# KiCad board poly_kb_molecule_7x5_wave_left.kicad_pcb (continued)
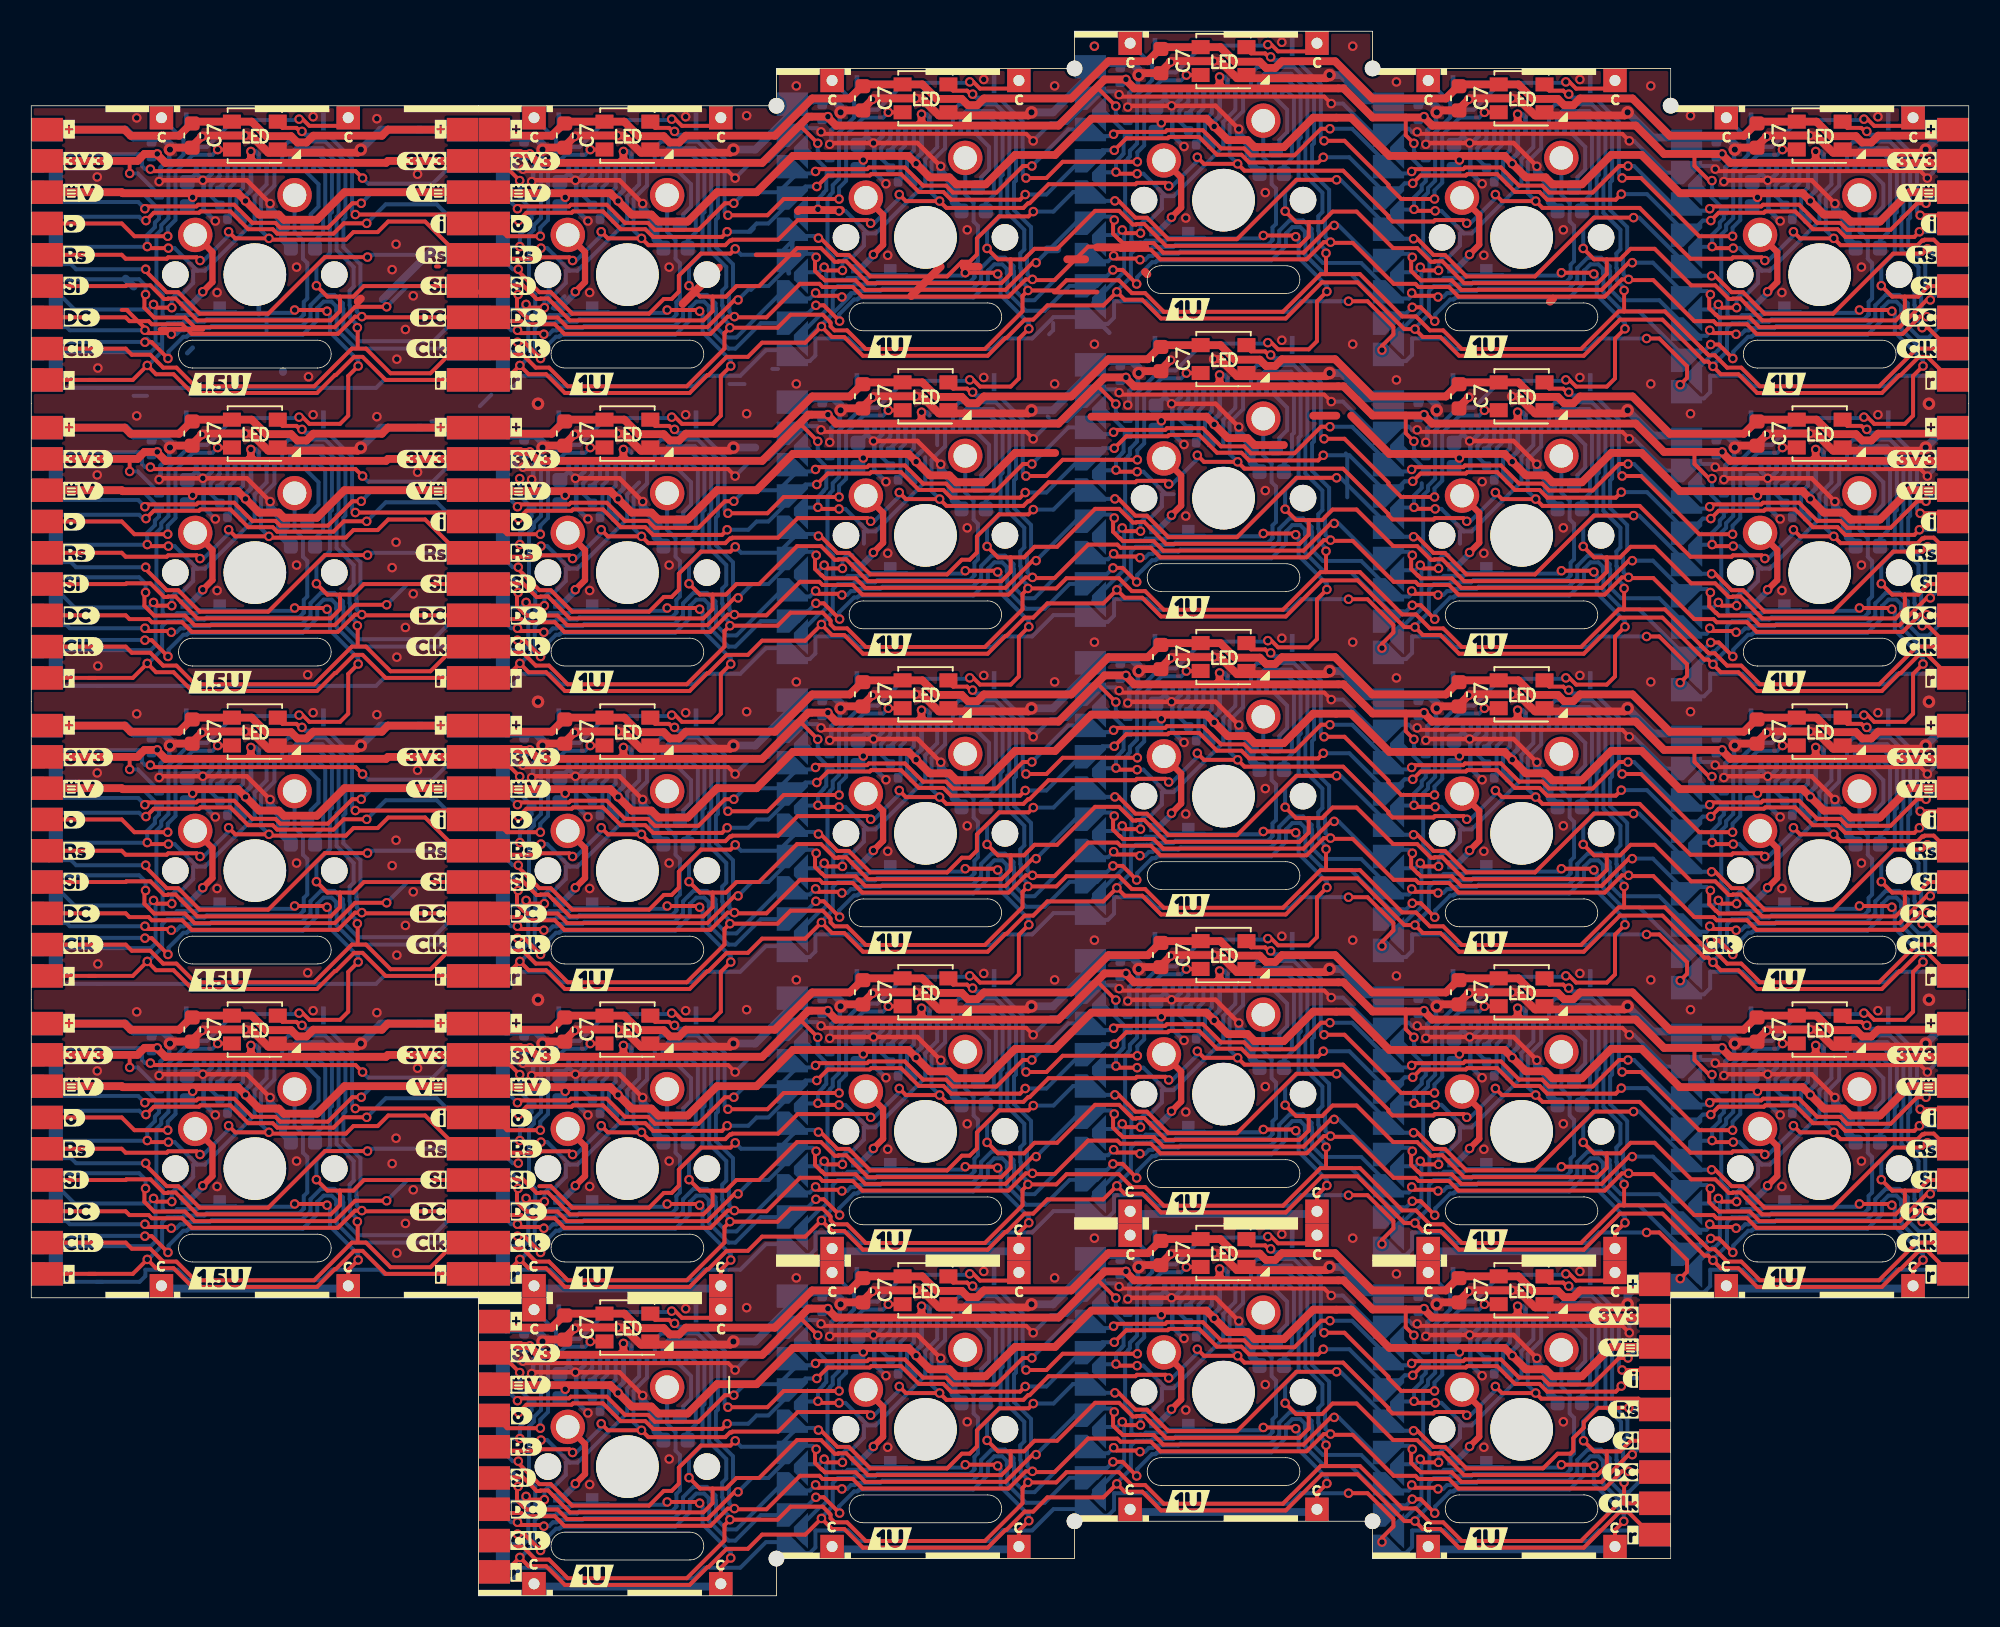
[diagram p0: board, top side]
## Routing (per net, layer and track width the routed paths; a pad name or vN(x,y) marks a point on that pad's centre or on a via; arc(x,y) is an arc through that point) (continued)
/Keyboard/sheet605ED2EB/CS: length 924.1
  Top w0.254: v1(7.81,44.45) 8.02,44.24 v1(8.98,44.24) ; v1(8.98,25.19) 8.02,25.19 v1(7.81,25.4) ; v1(31.23,10.05) 31.32,9.95 v1(32.57,9.95) ; v1(31.23,67.2) 31.32,67.1 v1(32.57,67.1) ; v1(50.67,65.88) 50.88,65.67 v1(51.84,65.67) ; v1(51.84,46.62) 50.88,46.62 v1(50.67,46.83) ; v1(88.38,12.43) 88.47,12.33 v1(89.72,12.33) ; v1(8.76,67.1) 7.51,67.1 v1(7.41,67.2) ; v1(32.79,6.14) 31.83,6.14 v1(31.62,6.35) ; v1(51.84,27.57) 50.88,27.57 v1(50.67,27.78) ; v1(69.33,33.86) 69.43,33.76 v1(70.68,33.76) ; v1(51.63,50.43) 50.38,50.43 v1(50.28,50.53) ; v1(70.89,49.01) 69.93,49.01 v1(69.72,49.21) ; v1(108.77,86.15) 107.52,86.15 v1(107.42,86.25) ; v1(89.94,46.62) 88.98,46.62 v1(88.77,46.83) ; v1(70.68,71.86) 69.43,71.86 v1(69.33,71.96) ; v1(51.63,31.38) 50.38,31.38 v1(50.28,31.48) ; v1(50.67,84.93) 50.88,84.72 v1(51.84,84.72) ; v1(70.89,68.06) 69.93,68.06 v1(69.72,68.26) ; v1(88.38,50.53) 88.47,50.43 v1(89.72,50.43) ; v1(8.76,48.05) 7.51,48.05 v1(7.41,48.15) ; v1(7.41,86.25) 7.51,86.15 v1(8.76,86.15) ; v1(51.63,69.48) 50.38,69.48 v1(50.28,69.58) ; v1(69.33,91.01) 69.43,90.91 v1(70.68,90.91) ; v1(107.82,25.4) 108.03,25.19 v1(108.99,25.19) ; v1(70.89,10.91) 69.93,10.91 v1(69.72,11.11) ; v1(108.77,48.05) 107.52,48.05 v1(107.42,48.15) ; v1(8.76,29) 7.51,29 v1(7.41,29.1) ; v1(51.63,88.53) 50.38,88.53 v1(50.28,88.63) ; v1(88.77,84.93) 88.98,84.72 v1(89.94,84.72) ; v1(32.79,63.29) 31.83,63.29 v1(31.62,63.5) ; v1(107.82,82.55) 108.03,82.34 v1(108.99,82.34) ; v1(51.84,8.52) 50.88,8.52 v1(50.67,8.73) ; v1(107.82,63.5) 108.03,63.29 v1(108.99,63.29) ; v1(70.68,52.81) 69.43,52.81 v1(69.33,52.91) ; v1(70.68,14.71) 69.43,14.71 v1(69.33,14.81) ; v1(31.62,25.4) 31.83,25.19 v1(32.79,25.19) ; v1(32.79,44.24) 31.83,44.24 v1(31.62,44.45) ; v1(32.57,86.15) 31.32,86.15 v1(31.23,86.25) ; v1(89.72,69.48) 88.47,69.48 v1(88.38,69.58) ; v1(89.72,88.53) 88.47,88.53 v1(88.38,88.63) ; v1(70.89,29.96) 69.93,29.96 v1(69.72,30.16) ; v1(107.42,67.2) 107.52,67.1 v1(108.77,67.1) ; v1(89.94,65.67) 88.98,65.67 v1(88.77,65.88) ; v1(7.81,63.5) 8.02,63.29 v1(8.98,63.29) ; v1(31.62,82.55) 31.83,82.34 v1(32.79,82.34) ; v1(88.77,27.78) 88.98,27.57 v1(89.94,27.57) ; v1(7.81,82.55) 8.02,82.34 v1(8.98,82.34) ; v1(89.72,31.38) 88.47,31.38 v1(88.38,31.48) ; v1(31.23,48.15) 31.32,48.05 v1(32.57,48.05) ; v1(51.63,12.33) 50.38,12.33 v1(50.28,12.43) ; v1(69.72,87.31) 69.93,87.11 v1(70.89,87.11) ; v1(107.82,44.45) 108.03,44.24 v1(108.99,44.24) ; v1(108.77,29) 107.52,29 v1(107.42,29.1) ; v1(89.94,8.52) 88.98,8.52 v1(88.77,8.73) ; v1(32.57,29) 31.32,29 v1(31.23,29.1)
  Bottom w0.25: J5#2.10 1.77,33.17 2.41,32.53 7.11,32.53 8.16,31.47 R1#22.2 ; 49.39,92.63 51.03,91 R1#25.2 ; 87.49,54.53 89.12,52.9 R1#26.2 ; 51.03,71.95 49.39,73.58 ; R1#13.2 70.08,17.18 68.44,18.82 ; J5#15.10 1.77,90.32 2.41,89.68 7.11,89.68 8.16,88.62 R1#27.2 ; R1#4.2 31.98,31.47 30.34,33.1 J5#22.10 ; 68.44,37.87 70.08,36.23 R1#21.2 ; J5#5.10 1.77,71.27 2.41,70.63 7.11,70.63 8.16,69.57 R1#10.2 ; R1#9.2 51.03,33.85 49.39,35.48 ; J5#17.10 30.34,71.2 31.98,69.57 R1#24.2 ; J5#24.10 1.77,52.22 2.41,51.58 7.11,51.58 8.16,50.52 R1#8.2 ; 106.54,33.1 108.17,31.47 R1#18.2 ; R1#6.2 108.17,69.57 106.54,71.2 ; 106.54,52.15 108.17,50.52 R1.2 ; J5.10 30.34,90.25 31.98,88.62 R1#19.2 ; 49.39,16.43 51.03,14.8 R1#11.2 ; 87.49,73.58 89.12,71.95 R1#7.2 ; J5#12.10 30.34,52.15 31.98,50.52 R1#3.2 ; R1#15.2 108.17,88.62 106.54,90.25 ; 27.21,81.36 27.21,81.48 ; 87.49,16.43 89.12,14.8 R1#5.2 ; 68.44,56.92 70.08,55.28 R1#2.2 ; 68.44,75.97 70.08,74.33 R1#23.2 ; J5#18.10 30.34,14.05 31.98,12.42 R1#17.2 ; R1#28.2 51.03,52.9 49.39,54.53 ; R1#16.2 89.12,91 87.49,92.63 ; R1#14.2 89.12,33.85 87.49,35.48 ; R1#12.2 70.08,93.38 68.44,95.02
  Bottom w0.254: R1#4.2 31.98,30.9 31.71,30.64 31.71,30.34 31.23,29.85 v1(31.23,29.1) 31.21,29.08 30.35,29.08 ; 50.67,27.78 v1(50.67,27.78) 50.35,27.46 49.39,27.46 ; 38.85,15.24 38.85,14.02 38.09,13.26 38.09,11.68 34.91,8.51 34.16,8.51 34.16,7.72 33.43,6.99 33.07,6.99 32.79,6.71 v1(32.79,6.14) ; v1(70.68,90.91) 71.08,90.91 72.52,89.47 ; J5#7.10 88.42,81.79 88.5,81.79 88.85,82.13 88.85,84.84 88.77,84.91 ; 67.87,44.57 J5#13.10 69.85,46.55 69.85,49.07 69.72,49.19 ; v1(89.72,69.48) 90.13,69.48 91.57,68.04 ; 110.62,84.71 109.18,86.15 v1(108.77,86.15) ; 106.54,63.17 107.5,63.17 v1(107.82,63.5) ; v1(51.63,69.48) 52.03,69.48 53.47,68.04 ; 30.35,10.03 31.21,10.03 v1(31.23,10.05) 31.23,10.8 31.71,11.29 31.71,11.59 31.98,11.85 R1#17.2 ; 87.5,60.55 87,61.06 ; v1(108.77,29) 109.18,29 110.62,27.56 ; R1#6.2 108.17,69 107.91,68.74 107.91,68.44 107.42,67.95 v1(107.42,67.2) 107.41,67.18 106.55,67.18 ; 31.62,25.4 v1(31.62,25.4) 31.3,25.08 30.34,25.08 ; 87.5,69.56 88.36,69.56 v1(88.38,69.58) 88.38,70.33 88.86,70.82 88.86,71.12 ; 49.4,12.41 50.26,12.41 v1(50.28,12.43) 50.28,13.09 50.64,13.46 50.64,13.5 50.81,13.67 50.81,14.47 R1#11.2 ; 72.52,32.32 71.08,33.76 v1(70.68,33.76) ; 50.67,8.73 v1(50.67,8.73) 50.35,8.41 49.39,8.41 ; v1(108.99,63.29) 108.99,63.86 109.27,64.14 109.63,64.14 110.36,64.87 110.36,65.66 111.11,65.66 114.29,68.83 114.29,70.41 115.05,71.17 J1#23.10 ; 107.82,25.4 v1(107.82,25.4) 107.5,25.08 106.54,25.08 ; J5#17.10 30.62,60.45 31.45,60.45 31.76,60.76 31.76,63.34 31.62,63.48 ; 68.45,5.78 67.94,6.29 ; R1#3.2 31.98,49.95 31.71,49.69 31.71,49.39 31.23,48.9 v1(31.23,48.15) 31.21,48.13 30.35,48.13 ; v1(51.63,88.53) 52.03,88.53 53.47,87.09 ; 69.72,87.29 69.85,87.17 69.85,84.65 J5#4.10 67.87,82.67 ; 68.45,71.95 69.31,71.95 v1(69.33,71.96) 69.33,72.63 69.7,73.01 69.7,73.03 69.81,73.14 69.81,73.95 ; R1#14.2 89.12,33.28 88.86,33.02 88.86,32.72 88.38,32.23 v1(88.38,31.48) 88.36,31.46 87.5,31.46 ; R1#18.2 108.17,30.9 107.91,30.64 107.91,30.34 107.42,29.85 v1(107.42,29.1) 107.41,29.08 106.55,29.08 ; 7.81,44.43 7.95,44.29 7.95,41.71 7.64,41.4 2.04,41.4 J5#24.10 ; R1#19.2 31.98,88.05 31.71,87.79 31.71,87.49 31.23,87 v1(31.23,86.25) 31.21,86.23 30.35,86.23 ; 67.87,6.47 J5#8.10 69.85,8.45 69.85,10.97 69.72,11.09 ; 50.67,8.71 50.81,8.58 50.81,5.99 50.5,5.68 50.42,5.68 J5#23.10 ; v1(51.84,46.62) 51.84,47.19 52.12,47.47 52.48,47.47 53.21,48.2 53.21,48.99 53.96,48.99 57.14,52.16 57.14,53.74 57.9,54.51 J1#6.10 ; J5#20.10 88.42,24.64 88.5,24.64 88.85,24.98 88.85,27.69 88.77,27.76 ; 34.42,84.71 32.98,86.15 v1(32.57,86.15) ; 44.63,77.46 45.59,77.46 ; 68.45,43.88 67.94,44.39 ; 64.96,75.39 65.03,75.31 ; 87.49,8.41 88.45,8.41 v1(88.77,8.73) 88.77,8.73 ; 76.19,73.6 76.19,75.17 76.95,75.94 J1#4.10 ; 87.5,50.51 88.36,50.51 v1(88.38,50.53) 88.38,51.28 88.86,51.77 88.86,52.07 89.12,52.33 R1#26.2 ; J5#6.10 107.47,79.41 107.58,79.41 107.92,79.75 107.92,82.43 107.82,82.53 ; J5#24.10 1.77,48.13 7.4,48.13 v1(7.41,48.15) 7.41,48.9 7.9,49.39 7.9,49.69 8.16,49.95 R1#8.2 ; v1(89.72,31.38) 90.13,31.38 91.57,29.94 ; v1(70.68,14.71) 71.08,14.71 72.52,13.27 ; R1#9.2 50.81,33.52 50.81,32.72 50.64,32.55 50.64,32.51 50.28,32.14 v1(50.28,31.48) 50.26,31.46 49.4,31.46 ; v1(32.57,9.95) 32.98,9.95 34.42,8.51 ; v1(8.76,86.15) 9.16,86.15 10.6,84.71 ; 15.04,81.92 15.04,80.7 ; J1#5.10 76.95,94.99 76.19,94.22 76.19,92.65 73.01,89.47 72.26,89.47 72.26,88.68 71.53,87.95 71.17,87.95 70.89,87.67 v1(70.89,87.11) ; J1#10.10 76.95,56.89 76.19,56.12 76.19,54.55 73.01,51.37 72.26,51.37 72.26,50.58 71.53,49.85 71.17,49.85 70.89,49.57 v1(70.89,49.01) ; J1#16.10 15.04,33.07 14.27,32.31 14.27,30.73 11.1,27.56 10.35,27.56 10.35,26.77 9.62,26.04 9.26,26.04 8.98,25.76 v1(8.98,25.19) ; v1(89.94,8.52) 89.94,9.09 90.22,9.37 90.58,9.37 91.31,10.1 91.31,10.89 92.06,10.89 95.24,14.06 95.24,15.64 96,16.41 J1#2.10 ; 7.81,82.53 7.95,82.39 7.95,79.81 7.64,79.5 2.04,79.5 J5#15.10 ; 69.72,30.16 v1(69.72,30.16) 69.4,29.84 68.44,29.84 ; 50.67,46.83 v1(50.67,46.83) 50.35,46.51 49.39,46.51 ; J5#5.10 2.77,63.18 7.49,63.18 v1(7.81,63.5) 7.81,63.5 ; 30.34,82.22 31.3,82.22 v1(31.62,82.55) 31.62,82.55 ; 7.81,25.4 v1(7.81,25.4) 7.49,25.08 2.77,25.08 J5#2.10 ; 31.62,44.43 31.76,44.29 31.76,41.71 31.45,41.4 30.62,41.4 J5#12.10 ; R1#15.2 108.17,88.05 107.91,87.79 107.91,87.49 107.42,87 v1(107.42,86.25) 107.41,86.23 106.55,86.23 ; J5#16.10 107.47,22.26 107.58,22.26 107.92,22.6 107.92,25.28 107.82,25.38 ; 69.72,68.24 69.85,68.12 69.85,65.6 J5#28.10 67.87,63.62 ; 69.4,67.94 v1(69.72,68.26) 69.72,68.26 ; 107.82,44.43 107.92,44.33 107.92,41.65 107.58,41.31 107.47,41.31 J5#21.10 ; 87.5,41.5 87,42.01 ; J5#25.10 50.42,43.78 50.5,43.78 50.81,44.09 50.81,46.68 50.67,46.81 ; v1(51.84,84.72) 51.84,85.29 52.12,85.57 52.48,85.57 53.21,86.3 53.21,87.09 53.96,87.09 57.14,90.26 57.14,91.84 57.9,92.61 J1#17.10 ; 50.67,84.93 v1(50.67,84.93) 50.35,84.61 49.39,84.61 ; 106.55,39.12 106.05,39.62 ; v1(32.79,44.24) 32.79,44.81 33.07,45.09 33.43,45.09 34.16,45.82 34.16,46.61 34.91,46.61 38.09,49.78 38.09,51.36 38.85,52.12 38.85,53.34 ; 68.44,48.89 69.4,48.89 v1(69.72,49.21) 69.72,49.21 ; 72.52,70.42 71.08,71.86 v1(70.68,71.86) ; v1(8.98,63.29) 8.98,63.86 9.26,64.14 9.62,64.14 10.35,64.87 10.35,65.66 11.1,65.66 14.27,68.83 14.27,70.41 15.04,71.17 J1#24.10 ; J1#27.10 57.9,73.56 ; 67.87,25.52 J5#11.10 69.85,27.5 69.85,30.02 69.72,30.14 ; 31.62,82.53 31.76,82.39 31.76,79.81 31.45,79.5 30.62,79.5 J5.10 ; 84.01,73.03 84.01,73.03 ; v1(89.94,84.72) 89.94,85.29 90.22,85.57 90.58,85.57 91.31,86.3 91.31,87.09 92.06,87.09 95.24,90.26 95.24,91.84 96,92.61 J1#22.10 ; J5#18.10 30.62,3.3 31.45,3.3 31.76,3.61 31.76,6.19 31.62,6.33 ; R1#13.2 69.81,16.8 69.81,15.99 69.7,15.88 69.7,15.86 69.33,15.48 v1(69.33,14.81) 69.31,14.8 68.45,14.8 ; R1#28.2 50.81,52.57 50.81,51.77 50.64,51.6 50.64,51.56 50.28,51.19 v1(50.28,50.53) 50.26,50.51 49.4,50.51 ; 49.4,88.61 50.26,88.61 v1(50.28,88.63) 50.28,89.29 50.64,89.66 50.64,89.7 50.81,89.87 50.81,90.67 R1#25.2 ; v1(32.79,25.19) 32.79,25.76 33.07,26.04 33.43,26.04 34.16,26.77 34.16,27.56 34.91,27.56 38.09,30.73 38.09,32.31 38.85,33.07 38.85,34.29 ; 50.67,27.76 50.81,27.63 50.81,25.04 50.5,24.73 50.42,24.73 J5#9.10 ; 46.26,83.74 46,83.47 ; 31.62,44.45 v1(31.62,44.45) 31.3,44.12 30.34,44.12 ; v1(108.99,82.34) 108.99,82.91 109.27,83.19 109.63,83.19 110.36,83.92 110.36,84.71 111.11,84.71 114.29,87.88 114.29,89.46 115.05,90.22 J1#7.10 ; 91.57,48.99 90.13,50.43 v1(89.72,50.43) ; v1(51.63,31.38) 52.03,31.38 53.47,29.94 ; 68.45,24.83 67.94,25.34 ; 68.45,81.98 67.94,82.49 ; 87.5,3.4 87,3.91 ; 31.21,67.18 v1(31.23,67.2) 31.23,67.95 31.71,68.44 31.71,68.74 31.98,69 R1#24.2 ; 68.45,62.93 67.94,63.44 ; v1(8.98,82.34) 8.98,82.91 9.26,83.19 9.62,83.19 10.35,83.92 10.35,84.71 11.1,84.71 14.27,87.88 14.27,89.46 15.04,90.22 J1#28.10 ; 50.67,65.86 50.81,65.73 50.81,63.14 50.5,62.83 ; v1(32.79,63.29) 32.79,63.86 33.07,64.14 33.43,64.14 34.16,64.87 34.16,65.66 34.91,65.66 38.09,68.83 38.09,70.41 38.85,71.17 ; 87.49,27.46 88.45,27.46 v1(88.77,27.78) 88.77,27.78 ; 50.67,84.91 50.81,84.78 50.81,82.19 50.5,81.88 50.42,81.88 J5#3.10 ; 106.55,77.22 106.05,77.72 ; 107.82,63.48 107.92,63.38 ; 87.5,79.6 87,80.11 ; J1#25.10 76.95,18.79 76.19,18.02 76.19,16.45 73.01,13.27 72.26,13.27 72.26,12.48 71.53,11.75 71.17,11.75 70.89,11.47 v1(70.89,10.91) ; 47.72,78.43 47.36,78.43 ; J1#9.10 96,54.51 95.24,53.74 95.24,52.16 92.06,48.99 91.31,48.99 91.31,48.2 90.58,47.47 90.22,47.47 89.94,47.19 v1(89.94,46.62) ; 88.85,65.79 88.85,63.08 88.5,62.74 88.42,62.74 J5#14.10 ; J1#15.10 15.04,52.12 14.27,51.36 14.27,49.78 11.1,46.61 10.35,46.61 10.35,45.82 9.62,45.09 9.26,45.09 8.98,44.81 v1(8.98,44.24) ; 110.62,65.66 109.18,67.1 ; 87.49,84.61 88.45,84.61 v1(88.77,84.93) 88.77,84.93 ; 52.37,83.12 49.2,79.95 ; v1(89.72,88.53) 90.13,88.53 91.57,87.09 ; 49.4,22.45 48.89,22.96 ; 31.62,6.35 v1(31.62,6.35) 31.3,6.02 30.34,6.02 ; 52.48,66.52 52.12,66.52 51.84,66.24 v1(51.84,65.67) ; 68.45,33.85 69.31,33.85 v1(69.33,33.86) 69.33,34.53 69.7,34.91 69.7,34.93 69.81,35.04 69.81,35.85 R1#21.2 ; J5#22.10 30.62,22.35 31.45,22.35 31.76,22.66 31.76,25.24 31.62,25.38 ; 10.6,27.56 9.16,29 v1(8.76,29) ; 73.01,70.42 72.26,70.42 72.26,69.63 71.53,68.9 ; 57.14,72.79 57.14,71.21 53.96,68.04 53.21,68.04 53.21,67.25 ; 6.54,76.71 7.4,76.71 ; v1(70.68,52.81) 71.08,52.81 72.52,51.37 ; 68.44,86.99 69.4,86.99 v1(69.72,87.31) 69.72,87.31 ; 49.4,41.5 48.89,42.01 ; 10.6,46.61 9.16,48.05 v1(8.76,48.05) ; R1#20.2 50.81,71.62 50.81,70.82 50.64,70.65 50.64,70.61 50.28,70.24 v1(50.28,69.58) 50.26,69.56 49.4,69.56 ; J5#2.10 2.04,22.35 7.64,22.35 7.95,22.66 7.95,25.24 7.81,25.38 ; v1(8.76,67.1) 9.16,67.1 10.6,65.66 ; 106.54,44.12 107.5,44.12 v1(107.82,44.45) 107.82,44.45 ; R1#10.2 8.16,69 7.9,68.74 7.9,68.44 7.41,67.95 v1(7.41,67.2) 7.4,67.18 1.77,67.18 J5#5.10 ; 7.81,82.55 v1(7.81,82.55) 7.49,82.23 2.77,82.23 J5#15.10 ; 53.47,10.89 52.03,12.33 v1(51.63,12.33) ; v1(51.84,27.57) 51.84,28.14 52.12,28.42 52.48,28.42 53.21,29.15 53.21,29.94 53.96,29.94 57.14,33.11 57.14,34.69 57.9,35.46 J1#13.10 ; J1#19.10 115.05,52.12 114.29,51.36 114.29,49.78 111.11,46.61 110.36,46.61 110.36,45.82 109.63,45.09 109.27,45.09 108.99,44.81 v1(108.99,44.24) ; J5#19.10 88.42,43.69 88.5,43.69 88.85,44.03 88.85,46.74 88.77,46.81 ; 106.55,48.13 107.41,48.13 v1(107.42,48.15) 107.42,48.9 107.91,49.39 107.91,49.69 108.17,49.95 R1.2 ; R1#16.2 89.12,90.43 88.86,90.17 88.86,89.87 88.38,89.38 v1(88.38,88.63) 88.36,88.61 87.5,88.61 ; 68.45,52.9 69.31,52.9 v1(69.33,52.91) 69.33,53.58 69.7,53.96 69.7,53.98 69.81,54.09 69.81,54.9 R1#2.2 ; J5#27.10 107.47,60.36 107.58,60.36 107.92,60.7 ; 30.34,63.17 31.3,63.17 v1(31.62,63.5) 31.62,63.5 ; J5#24.10 2.77,44.13 7.49,44.13 v1(7.81,44.45) 7.81,44.45 ; v1(32.57,48.05) 32.98,48.05 34.42,46.61 ; J1#26.10 115.05,33.07 114.29,32.31 114.29,30.73 111.11,27.56 110.36,27.56 110.36,26.77 109.63,26.04 109.27,26.04 108.99,25.76 v1(108.99,25.19) ; 91.57,10.89 90.13,12.33 v1(89.72,12.33) ; 68.45,91 69.31,91 v1(69.33,91.01) 69.33,91.68 69.7,92.06 69.7,92.08 69.81,92.19 69.81,93 R1#12.2 ; 87.5,12.41 88.36,12.41 v1(88.38,12.43) 88.38,13.18 88.86,13.67 88.86,13.97 89.12,14.23 R1#5.2 ; 71.17,68.9 70.89,68.62 v1(70.89,68.06) ; 53.47,48.99 52.03,50.43 v1(51.63,50.43) ; 50.67,65.88 v1(50.67,65.88) 50.35,65.56 ; v1(70.89,29.96) 70.89,30.52 71.17,30.8 71.53,30.8 72.26,31.53 72.26,32.32 73.01,32.32 76.19,35.5 76.19,37.07 76.95,37.84 J1#21.10 ; 106.55,58.17 106.05,58.67 ; 107.82,82.55 v1(107.82,82.55) 107.5,82.22 106.54,82.22 ; J5#26.10 88.42,5.59 88.5,5.59 88.85,5.93 88.85,8.64 88.77,8.71 ; 87.5,22.45 87,22.96 ; J5#2.10 1.77,29.08 7.4,29.08 v1(7.41,29.1) 7.41,29.85 7.9,30.34 7.9,30.64 8.16,30.9 R1#22.2 ; 49.4,60.55 48.89,61.06 ; R1#27.2 8.16,88.05 7.9,87.79 7.9,87.49 7.41,87 v1(7.41,86.25) 7.4,86.23 1.77,86.23 J5#15.10 ; 7.81,63.48 7.95,63.34 7.95,60.76 7.64,60.45 2.04,60.45 J5#5.10 ; v1(51.84,8.52) 51.84,9.09 52.12,9.37 52.48,9.37 53.21,10.1 53.21,10.89 53.96,10.89 57.14,14.06 57.14,15.64 57.9,16.41 J1#12.10 ; v1(108.77,48.05) 109.18,48.05 110.62,46.61 ; 29.4,76.78 28.67,76.05 ; 84.11,72.91 84.11,70.22 ; 49.4,3.4 48.89,3.91 ; 67.5,76.78 66.77,76.05 ; 68.44,10.79 69.4,10.79 v1(69.72,11.11) 69.72,11.11 ; 34.42,27.56 32.98,29 v1(32.57,29) ; 87.49,65.56 88.45,65.56 v1(88.77,65.88) 88.77,65.88 ; 49.4,79.6 48.89,80.11 ; 38.85,91.44 38.85,90.22 38.09,89.46 38.09,87.88 34.91,84.71 34.16,84.71 34.16,83.92 33.43,83.19 33.07,83.19 32.79,82.91 v1(32.79,82.34) ; v1(32.57,67.1) 32.98,67.1 34.42,65.66 ; 88.77,46.83 v1(88.77,46.83) 88.45,46.51 87.49,46.51 ; J1#3.10 96,73.56 95.24,72.79 95.24,71.21 92.06,68.04 91.31,68.04 91.31,67.25 ; 50.42,62.83 J5#10.10 ; v1(89.94,65.67) 89.94,66.24 90.22,66.52 90.58,66.52 ; J1#18.10 96,35.46 95.24,34.69 95.24,33.11 92.06,29.94 91.31,29.94 91.31,29.15 90.58,28.42 90.22,28.42 89.94,28.14 v1(89.94,27.57) ; 106.55,20.07 106.05,20.58
/Keyboard/sheet605ED2EB/D-C: length 1055.6
  Top w0.25: v1(102.09,7.95) 103.71,7.95 J4#5.7
  Top w0.254: 29.84,62.67 30.09,62.43 31.32,62.43 31.52,62.23 33.46,62.23 34.07,61.62 43.41,61.62 44.51,62.72 v1(44.94,62.72) 44.98,62.67 46.99,62.67 49.13,64.82 50.37,64.82 50.57,64.61 52.51,64.61 53.12,64 62.46,64 63.56,65.1 v1(63.99,65.1) 64.03,65.06 65.41,65.06 67.54,67.2 69.42,67.2 69.62,66.99 71.56,66.99 72.17,66.38 81.51,66.38 82.61,67.48 v1(83.04,67.48) 83.08,67.44 84.45,67.44 87.08,64.81 88.47,64.81 88.67,64.61 90.61,64.61 91.22,64 100.56,64 101.66,65.1 v1(102.09,65.1) 102.13,65.06 103.66,65.06 106.29,62.43 107.52,62.43 107.72,62.23 109.66,62.23 110.27,61.62 119.61,61.62 120.71,62.72 v1(121.14,62.72) 121.18,62.67 122.55,62.67 ; J3#3.7 6.03,24.58 6.27,24.33 7.5,24.33 7.71,24.13 9.64,24.13 10.26,23.52 19.59,23.52 20.69,24.62 v1(21.13,24.62) 21.17,24.58 J4#8.7 ; J3#5.7 6.03,81.73 6.27,81.48 7.5,81.48 7.71,81.28 9.64,81.28 10.26,80.67 19.59,80.67 20.69,81.77 v1(21.13,81.77) 21.17,81.73 J4#9.7 ; J4#7.7 21.17,43.63 v1(21.13,43.67) 20.69,43.67 19.59,42.57 10.26,42.57 9.64,43.18 7.71,43.18 7.5,43.38 6.27,43.38 6.03,43.63 J3#8.7 ; 29.84,43.62 30.09,43.38 31.32,43.38 31.52,43.18 33.46,43.18 34.07,42.57 43.41,42.57 44.51,43.67 v1(44.94,43.67) 44.98,43.62 46.99,43.62 49.13,45.77 50.37,45.77 50.57,45.56 52.51,45.56 53.12,44.95 62.46,44.95 63.56,46.05 v1(63.99,46.05) 64.03,46.01 65.41,46.01 67.54,48.15 69.42,48.15 69.62,47.94 71.56,47.94 72.17,47.33 81.51,47.33 82.61,48.43 v1(83.04,48.43) 83.08,48.39 84.45,48.39 87.08,45.76 88.47,45.76 88.67,45.56 90.61,45.56 91.22,44.95 100.56,44.95 101.66,46.05 v1(102.09,46.05) 102.13,46.01 103.66,46.01 106.29,43.38 107.52,43.38 107.72,43.18 109.66,43.18 110.27,42.57 119.61,42.57 120.71,43.67 v1(121.14,43.67) 121.18,43.62 122.55,43.62 ; 29.84,5.52 30.09,5.28 31.32,5.28 31.52,5.08 33.46,5.08 34.07,4.47 43.41,4.47 44.51,5.57 v1(44.94,5.57) 44.98,5.52 46.99,5.52 49.13,7.67 50.37,7.67 50.57,7.46 52.51,7.46 53.12,6.85 62.46,6.85 63.56,7.95 v1(63.99,7.95) 64.03,7.91 65.41,7.91 67.54,10.05 69.42,10.05 69.62,9.84 71.56,9.84 72.17,9.23 81.51,9.23 82.61,10.33 v1(83.04,10.33) 83.08,10.29 84.45,10.29 87.08,7.66 88.47,7.66 88.67,7.46 90.61,7.46 91.22,6.85 100.56,6.85 101.66,7.95 v1(102.09,7.95) 102.13,7.91 ; 29.84,24.58 30.09,24.33 31.32,24.33 31.52,24.13 33.46,24.13 34.07,23.52 43.41,23.52 44.51,24.62 v1(44.94,24.62) 44.98,24.58 46.99,24.58 49.13,26.72 50.37,26.72 50.57,26.51 52.51,26.51 53.12,25.9 62.46,25.9 63.56,27 v1(63.99,27) 64.03,26.96 65.41,26.96 67.54,29.1 69.42,29.1 69.62,28.89 71.56,28.89 72.17,28.28 81.51,28.28 82.61,29.38 v1(83.04,29.38) 83.08,29.34 84.45,29.34 87.08,26.71 88.47,26.71 88.67,26.51 90.61,26.51 91.22,25.9 100.56,25.9 101.66,27 v1(102.09,27) 102.13,26.96 103.66,26.96 106.29,24.33 107.52,24.33 107.72,24.13 109.66,24.13 110.27,23.52 119.61,23.52 120.71,24.62 v1(121.14,24.62) 121.18,24.58 122.55,24.58 ; J3#9.7 6.03,62.68 6.27,62.43 7.5,62.43 7.71,62.23 9.64,62.23 10.26,61.62 19.59,61.62 20.69,62.72 v1(21.13,62.72) 21.17,62.68 J4#4.7 ; 122.55,81.72 121.18,81.72 v1(121.14,81.77) 120.71,81.77 119.61,80.67 110.27,80.67 109.66,81.28 107.72,81.28 107.52,81.48 106.29,81.48 103.66,84.11 102.13,84.11 v1(102.09,84.15) 101.66,84.15 100.56,83.05 91.22,83.05 90.61,83.66 88.67,83.66 88.47,83.86 87.08,83.86 84.45,86.49 83.08,86.49 v1(83.04,86.53) 82.61,86.53 81.51,85.43 72.17,85.43 71.56,86.04 69.62,86.04 69.42,86.25 67.54,86.25 65.41,84.11 64.03,84.11 v1(63.99,84.15) 63.56,84.15 62.46,83.05 53.12,83.05 52.51,83.66 50.57,83.66 50.37,83.87 49.13,83.87 46.99,81.72 44.98,81.72 v1(44.94,81.77) 44.51,81.77 43.41,80.67 34.07,80.67 33.46,81.28 31.52,81.28 31.32,81.48 30.09,81.48 29.84,81.72
  Bottom w0.254: 39.85,34.29 39.85,35.41 40.26,35.81 42.59,35.81 43.76,34.65 43.89,34.52 43.89,30.94 43.76,30.81 43.76,29.05 44.85,27.97 44.85,26.36 44.59,26.1 44.59,25.52 44.62,25.49 44.62,24.94 v1(44.94,24.62) ; v1(44.94,81.77) 44.62,82.09 44.62,82.64 44.59,82.67 44.59,83.25 44.85,83.51 44.85,85.12 43.76,86.2 43.76,87.96 43.89,88.09 43.89,91.67 43.76,91.8 42.59,92.96 40.26,92.96 39.85,92.55 39.85,91.44 ; J1#2.12 97,18.74 97.41,19.15 99.74,19.15 101.04,17.85 101.04,12.25 102.01,11.28 102.01,10.18 101.74,9.9 101.74,8.86 101.77,8.82 101.77,8.27 v1(102.09,7.95) ; v1(102.09,46.05) 101.77,46.37 101.77,46.92 101.74,46.96 101.74,47.53 102,47.79 102,49.4 100.91,50.49 100.91,52.25 101.04,52.37 101.04,55.95 100.91,56.08 100.91,56.08 99.74,57.25 97.41,57.25 97,56.84 J1#9.12 ; 39.85,72.39 39.85,73.5 40.26,73.91 42.59,73.91 43.76,72.75 43.89,72.62 43.89,69.04 43.76,68.91 43.76,67.15 44.85,66.07 44.85,64.46 44.59,64.2 44.59,63.62 44.62,63.59 44.62,63.04 v1(44.94,62.72) ; v1(21.13,62.72) 20.81,63.04 20.81,63.59 20.77,63.62 20.77,64.2 21.03,64.46 21.03,66.07 19.94,67.15 19.94,68.91 20.07,69.04 20.07,72.62 19.94,72.75 18.78,73.91 16.45,73.91 16.04,73.51 J1#24.12 ; v1(121.14,24.62) 120.82,24.94 120.82,25.49 120.79,25.52 120.79,26.1 121.05,26.36 121.05,27.97 119.96,29.05 119.96,30.81 120.09,30.94 120.09,34.52 119.96,34.65 118.79,35.81 116.46,35.81 116.05,35.41 J1#26.12 ; J1#23.12 116.05,73.5 116.46,73.91 118.79,73.91 119.96,72.75 120.09,72.62 120.09,69.04 119.96,68.91 119.96,67.15 121.05,66.07 121.05,64.46 120.79,64.2 120.79,63.62 120.82,63.59 120.82,63.04 v1(121.14,62.72) ; J1#7.12 116.05,92.55 116.46,92.96 118.79,92.96 119.96,91.8 120.09,91.67 120.09,88.09 119.96,87.96 119.96,86.2 121.05,85.12 121.05,83.51 120.79,83.25 120.79,82.67 120.82,82.64 120.82,82.09 v1(121.14,81.77) ; J1#12.12 58.9,18.74 59.31,19.15 61.64,19.15 62.81,17.98 62.81,17.98 62.94,17.85 62.94,14.27 62.81,14.15 62.81,12.39 63.9,11.3 63.9,9.69 63.64,9.43 63.64,8.86 63.67,8.82 63.67,8.27 v1(63.99,7.95) ; v1(63.99,27) 63.67,27.32 63.67,27.87 63.64,27.91 63.64,28.48 63.9,28.74 63.9,30.35 62.81,31.44 62.81,33.2 62.94,33.32 62.94,36.9 62.81,37.03 62.81,37.03 61.64,38.2 59.31,38.2 58.9,37.79 J1#13.12 ; J1#16.12 16.04,35.41 16.45,35.81 18.78,35.81 19.94,34.65 20.07,34.52 20.07,30.94 19.94,30.81 19.94,29.05 21.03,27.97 21.03,26.36 20.77,26.1 20.77,25.52 20.81,25.49 20.81,24.94 v1(21.13,24.62) ; v1(83.04,48.43) 82.72,48.75 82.72,49.3 82.69,49.34 82.69,49.91 82.95,50.17 82.95,51.78 81.86,52.87 81.86,54.63 81.99,54.75 81.99,58.33 81.86,58.46 81.86,58.46 80.69,59.63 78.36,59.63 77.95,59.22 J1#10.12 ; v1(102.09,65.1) 101.77,65.42 101.77,65.97 101.74,66.01 101.74,66.58 102,66.84 102,68.45 100.91,69.54 100.91,71.3 101.04,71.42 101.04,75 100.91,75.13 100.91,75.13 99.74,76.3 97.41,76.3 97,75.89 J1#3.12 ; J1#5.12 77.95,97.32 78.36,97.73 80.69,97.73 81.86,96.56 81.86,96.56 81.99,96.43 81.99,92.85 81.86,92.73 81.86,90.97 82.95,89.88 82.95,88.27 82.69,88.01 82.69,87.44 82.72,87.4 82.72,86.85 v1(83.04,86.53) ; v1(63.99,46.05) 63.67,46.37 63.67,46.92 63.64,46.96 63.64,47.53 63.9,47.79 63.9,49.4 62.81,50.49 62.81,52.25 62.94,52.37 62.94,55.95 62.81,56.08 62.81,56.08 61.64,57.25 59.31,57.25 58.9,56.84 J1#6.12 ; J1#28.12 16.04,92.56 16.45,92.96 18.78,92.96 19.94,91.8 20.07,91.67 20.07,88.09 19.94,87.96 19.94,86.2 21.03,85.12 21.03,83.51 20.77,83.25 20.77,82.67 20.81,82.64 20.81,82.09 v1(21.13,81.77) ; v1(44.94,5.57) 44.62,5.89 44.62,6.44 44.59,6.47 44.59,7.05 44.85,7.31 44.85,8.92 43.76,10 43.76,11.76 43.89,11.89 43.89,15.47 43.76,15.6 42.59,16.76 40.26,16.76 39.85,16.35 39.85,15.24 ; J1#4.12 77.95,78.27 78.36,78.68 80.69,78.68 81.86,77.51 81.86,77.51 81.99,77.38 81.99,73.8 81.86,73.68 81.86,71.92 82.95,70.83 82.95,69.22 82.69,68.96 82.69,68.39 82.72,68.35 82.72,67.8 v1(83.04,67.48) ; J1#18.12 97,37.79 97.41,38.2 99.74,38.2 100.91,37.03 100.91,37.03 101.04,36.9 101.04,33.32 100.91,33.2 100.91,31.44 102,30.35 102,28.74 101.74,28.48 101.74,27.91 101.77,27.87 101.77,27.32 v1(102.09,27) ; J1#19.12 116.05,54.45 116.46,54.86 118.79,54.86 119.96,53.7 120.09,53.57 120.09,49.99 119.96,49.86 119.96,48.1 121.05,47.02 121.05,45.41 120.79,45.15 120.79,44.57 120.82,44.54 120.82,43.99 v1(121.14,43.67) ; J1#27.12 58.9,75.89 59.31,76.3 61.64,76.3 62.81,75.13 62.81,75.13 62.94,75 62.94,71.42 62.81,71.3 62.81,69.54 63.9,68.45 63.9,66.84 63.64,66.58 63.64,66.01 63.67,65.97 63.67,65.42 v1(63.99,65.1) ; J1#25.12 77.95,21.12 78.36,21.53 80.69,21.53 81.86,20.36 81.86,20.36 81.99,20.23 81.99,16.65 81.86,16.53 81.86,14.77 82.95,13.68 82.95,12.07 82.69,11.81 82.69,11.24 82.72,11.2 82.72,10.65 v1(83.04,10.33) ; 39.85,53.34 39.85,54.45 40.26,54.86 42.59,54.86 43.76,53.7 43.89,53.57 43.89,49.99 43.76,49.86 43.76,48.1 44.85,47.02 44.85,45.41 44.59,45.15 44.59,44.57 44.62,44.54 44.62,43.99 v1(44.94,43.67) ; v1(21.13,43.67) 20.81,43.99 20.81,44.54 20.77,44.57 20.77,45.15 21.03,45.41 21.03,47.02 19.94,48.1 19.94,49.86 20.07,49.99 20.07,53.57 19.94,53.7 18.78,54.86 16.45,54.86 16.04,54.46 J1#15.12 ; v1(102.09,84.15) 101.77,84.47 101.77,85.02 101.74,85.06 101.74,85.63 102,85.89 102,87.5 100.91,88.59 100.91,90.35 101.04,90.47 101.04,94.05 100.91,94.18 100.91,94.18 99.74,95.35 97.41,95.35 97,94.94 J1#22.12 ; v1(83.04,29.38) 82.72,29.7 82.72,30.25 82.69,30.29 82.69,30.86 82.95,31.12 82.95,32.73 81.86,33.82 81.86,35.58 81.99,35.7 81.99,39.28 81.86,39.41 81.86,39.41 80.69,40.58 78.36,40.58 77.95,40.17 J1#21.12 ; v1(63.99,84.15) 63.67,84.47 63.67,85.02 63.64,85.06 63.64,85.63 63.9,85.89 63.9,87.5 62.81,88.59 62.81,90.35 62.94,90.47 62.94,94.05 62.81,94.18 62.81,94.18 61.64,95.35 59.31,95.35 58.9,94.94 J1#17.12
/Keyboard/sheet605ED2EB/KeyCol: length 1296.8
  Top w0.254: v1(42.71,24.97) 42.64,25.04 v1(40.64,25.04) ; v1(20.89,21.46) 20.26,20.83 J9#3.1 ; v1(101.78,4.76) 101.22,4.2 J9#6.1 ; v1(20.89,59.56) 20.26,58.93 20.26,56.39 19.73,55.87 17.77,55.87 17.34,56.29 v1(17.12,56.29) ; v1(61.76,46.4) 61.69,46.48 v1(59.69,46.48) ; v1(63.75,42.89) 63.12,42.26 63.12,39.72 62.6,39.2 60.63,39.2 60.2,39.63 v1(59.98,39.63) ; v1(63.75,61.94) 63.12,61.31 63.12,58.77 62.6,58.25 60.63,58.25 60.2,58.68 v1(59.98,58.68) ; v1(82.8,83.38) 82.17,82.74 82.17,80.2 81.65,79.68 79.68,79.68 79.25,80.11 v1(79.03,80.11) ; v1(82.8,64.33) 82.17,63.69 82.17,61.15 81.65,60.63 79.68,60.63 79.25,61.06 v1(79.03,61.06) ; v1(42.71,44.02) 42.64,44.09 v1(40.64,44.09) ; v1(80.81,67.83) 80.74,67.91 v1(78.74,67.91) ; v1(98.08,20.58) 98.3,20.58 98.73,20.15 100.7,20.15 J2#3.1 ; v1(101.85,61.94) 101.22,61.31 101.22,58.77 100.7,58.25 98.73,58.25 98.3,58.68 v1(98.08,58.68) ; v1(44.7,2.41) 44.07,1.78 J9#10.1 ; v1(59.69,27.43) 61.69,27.43 v1(61.76,27.35) ; v1(101.85,42.89) 101.22,42.26 101.22,39.72 100.7,39.2 98.73,39.2 98.3,39.63 v1(98.08,39.63) ; J2#4.1 100.7,96.35 98.73,96.35 98.3,96.78 v1(98.08,96.78) ; v1(116.84,25.04) 118.84,25.04 v1(118.91,24.97) ; v1(78.74,29.81) 80.74,29.81 v1(80.81,29.73) ; v1(42.71,63.07) 42.64,63.14 v1(40.64,63.14) ; v1(59.98,20.58) 60.2,20.58 60.63,20.15 62.6,20.15 J2#8.1 ; v1(101.85,80.99) 101.22,80.36 101.22,77.82 100.7,77.3 98.73,77.3 98.3,77.73 v1(98.08,77.73) ; J2#10.1 81.65,98.73 79.68,98.73 79.25,99.16 v1(79.03,99.16) ; v1(120.9,59.56) 120.27,58.93 120.27,56.39 119.75,55.87 117.78,55.87 117.35,56.29 v1(117.13,56.29) ; v1(40.93,75.34) 41.15,75.34 41.58,74.92 43.55,74.92 44.07,75.44 44.07,77.98 v1(44.7,78.61) ; v1(78.74,86.96) 80.74,86.96 v1(80.81,86.88) ; v1(17.12,75.34) 17.34,75.34 17.77,74.92 19.73,74.92 20.26,75.44 20.26,77.98 v1(20.89,78.61) ; v1(59.69,65.53) 61.69,65.53 v1(61.76,65.45) ; v1(116.84,63.14) 118.84,63.14 v1(118.91,63.07) ; v1(59.98,77.73) 60.2,77.73 60.63,77.3 62.6,77.3 63.12,77.82 63.12,80.36 v1(63.75,80.99) ; v1(16.83,63.14) 18.82,63.14 v1(18.9,63.07) ; v1(44.7,21.46) 44.07,20.83 J9.1 ; v1(79.03,42.01) 79.25,42.01 79.68,41.58 81.65,41.58 82.17,42.1 82.17,44.64 v1(82.8,45.28) ; v1(117.13,37.24) 117.35,37.24 117.78,36.82 119.75,36.82 120.27,37.34 120.27,39.88 v1(120.9,40.51) ; v1(59.98,96.78) 60.2,96.78 60.63,96.35 62.6,96.35 J2#9.1 ; v1(16.83,44.09) 18.82,44.09 v1(18.9,44.02) ; v1(116.84,82.19) 118.84,82.19 v1(118.91,82.12) ; J2.1 43.55,93.97 41.58,93.97 41.15,94.39 v1(40.93,94.39) ; v1(42.71,5.92) 42.64,5.99 v1(40.64,5.99) ; J2#2.1 119.75,93.97 117.78,93.97 117.35,94.39 v1(117.13,94.39) ; v1(80.81,10.68) 80.74,10.76 v1(78.74,10.76) ; v1(40.93,56.29) 41.15,56.29 41.58,55.87 43.55,55.87 44.07,56.39 44.07,58.93 v1(44.7,59.56) ; v1(99.86,65.45) 99.79,65.53 v1(97.79,65.53) ; v1(99.86,46.4) 99.79,46.48 v1(97.79,46.48) ; v1(78.74,48.86) 80.74,48.86 v1(80.81,48.78) ; v1(40.93,18.19) 41.15,18.19 41.58,17.77 43.55,17.77 J2#5.1 ; J2#6.1 19.73,93.97 17.77,93.97 17.34,94.39 v1(17.12,94.39) ; v1(99.86,27.35) 99.79,27.43 v1(97.79,27.43) ; J9#5.1 63.12,4.16 v1(63.75,4.79) ; J9#7.1 82.17,25.59 v1(82.8,26.23) ; v1(99.86,8.3) 99.79,8.38 v1(97.79,8.38) ; v1(101.85,23.84) 101.22,23.21 J9#2.1 ; v1(59.69,8.38) 61.69,8.38 v1(61.76,8.3) ; v1(18.9,82.12) 18.82,82.19 v1(16.83,82.19) ; v1(63.75,23.84) 63.12,23.21 J9#9.1 ; v1(116.84,44.09) 118.84,44.09 v1(118.91,44.02) ; v1(120.9,21.46) 120.27,20.83 J9#4.1 ; v1(44.7,40.51) 44.07,39.88 44.07,37.34 43.55,36.82 41.58,36.82 41.15,37.24 v1(40.93,37.24) ; J9#8.1 82.17,6.54 v1(82.8,7.18) ; v1(20.89,40.51) 20.26,39.88 20.26,37.34 19.73,36.82 17.77,36.82 17.34,37.24 v1(17.12,37.24) ; v1(59.69,84.58) 61.69,84.58 v1(61.76,84.5) ; v1(40.64,82.19) 42.64,82.19 v1(42.71,82.12) ; v1(79.03,22.96) 79.25,22.96 79.68,22.53 81.65,22.53 J2#7.1 ; v1(97.79,84.58) 99.79,84.58 v1(99.86,84.5) ; v1(18.9,24.97) 18.82,25.04 v1(16.83,25.04) ; v1(120.9,78.61) 120.27,77.98 120.27,75.44 119.75,74.92 117.78,74.92 117.35,75.34 v1(117.13,75.34)